# KiCad board RP2040_motor.kicad_pcb (continued)
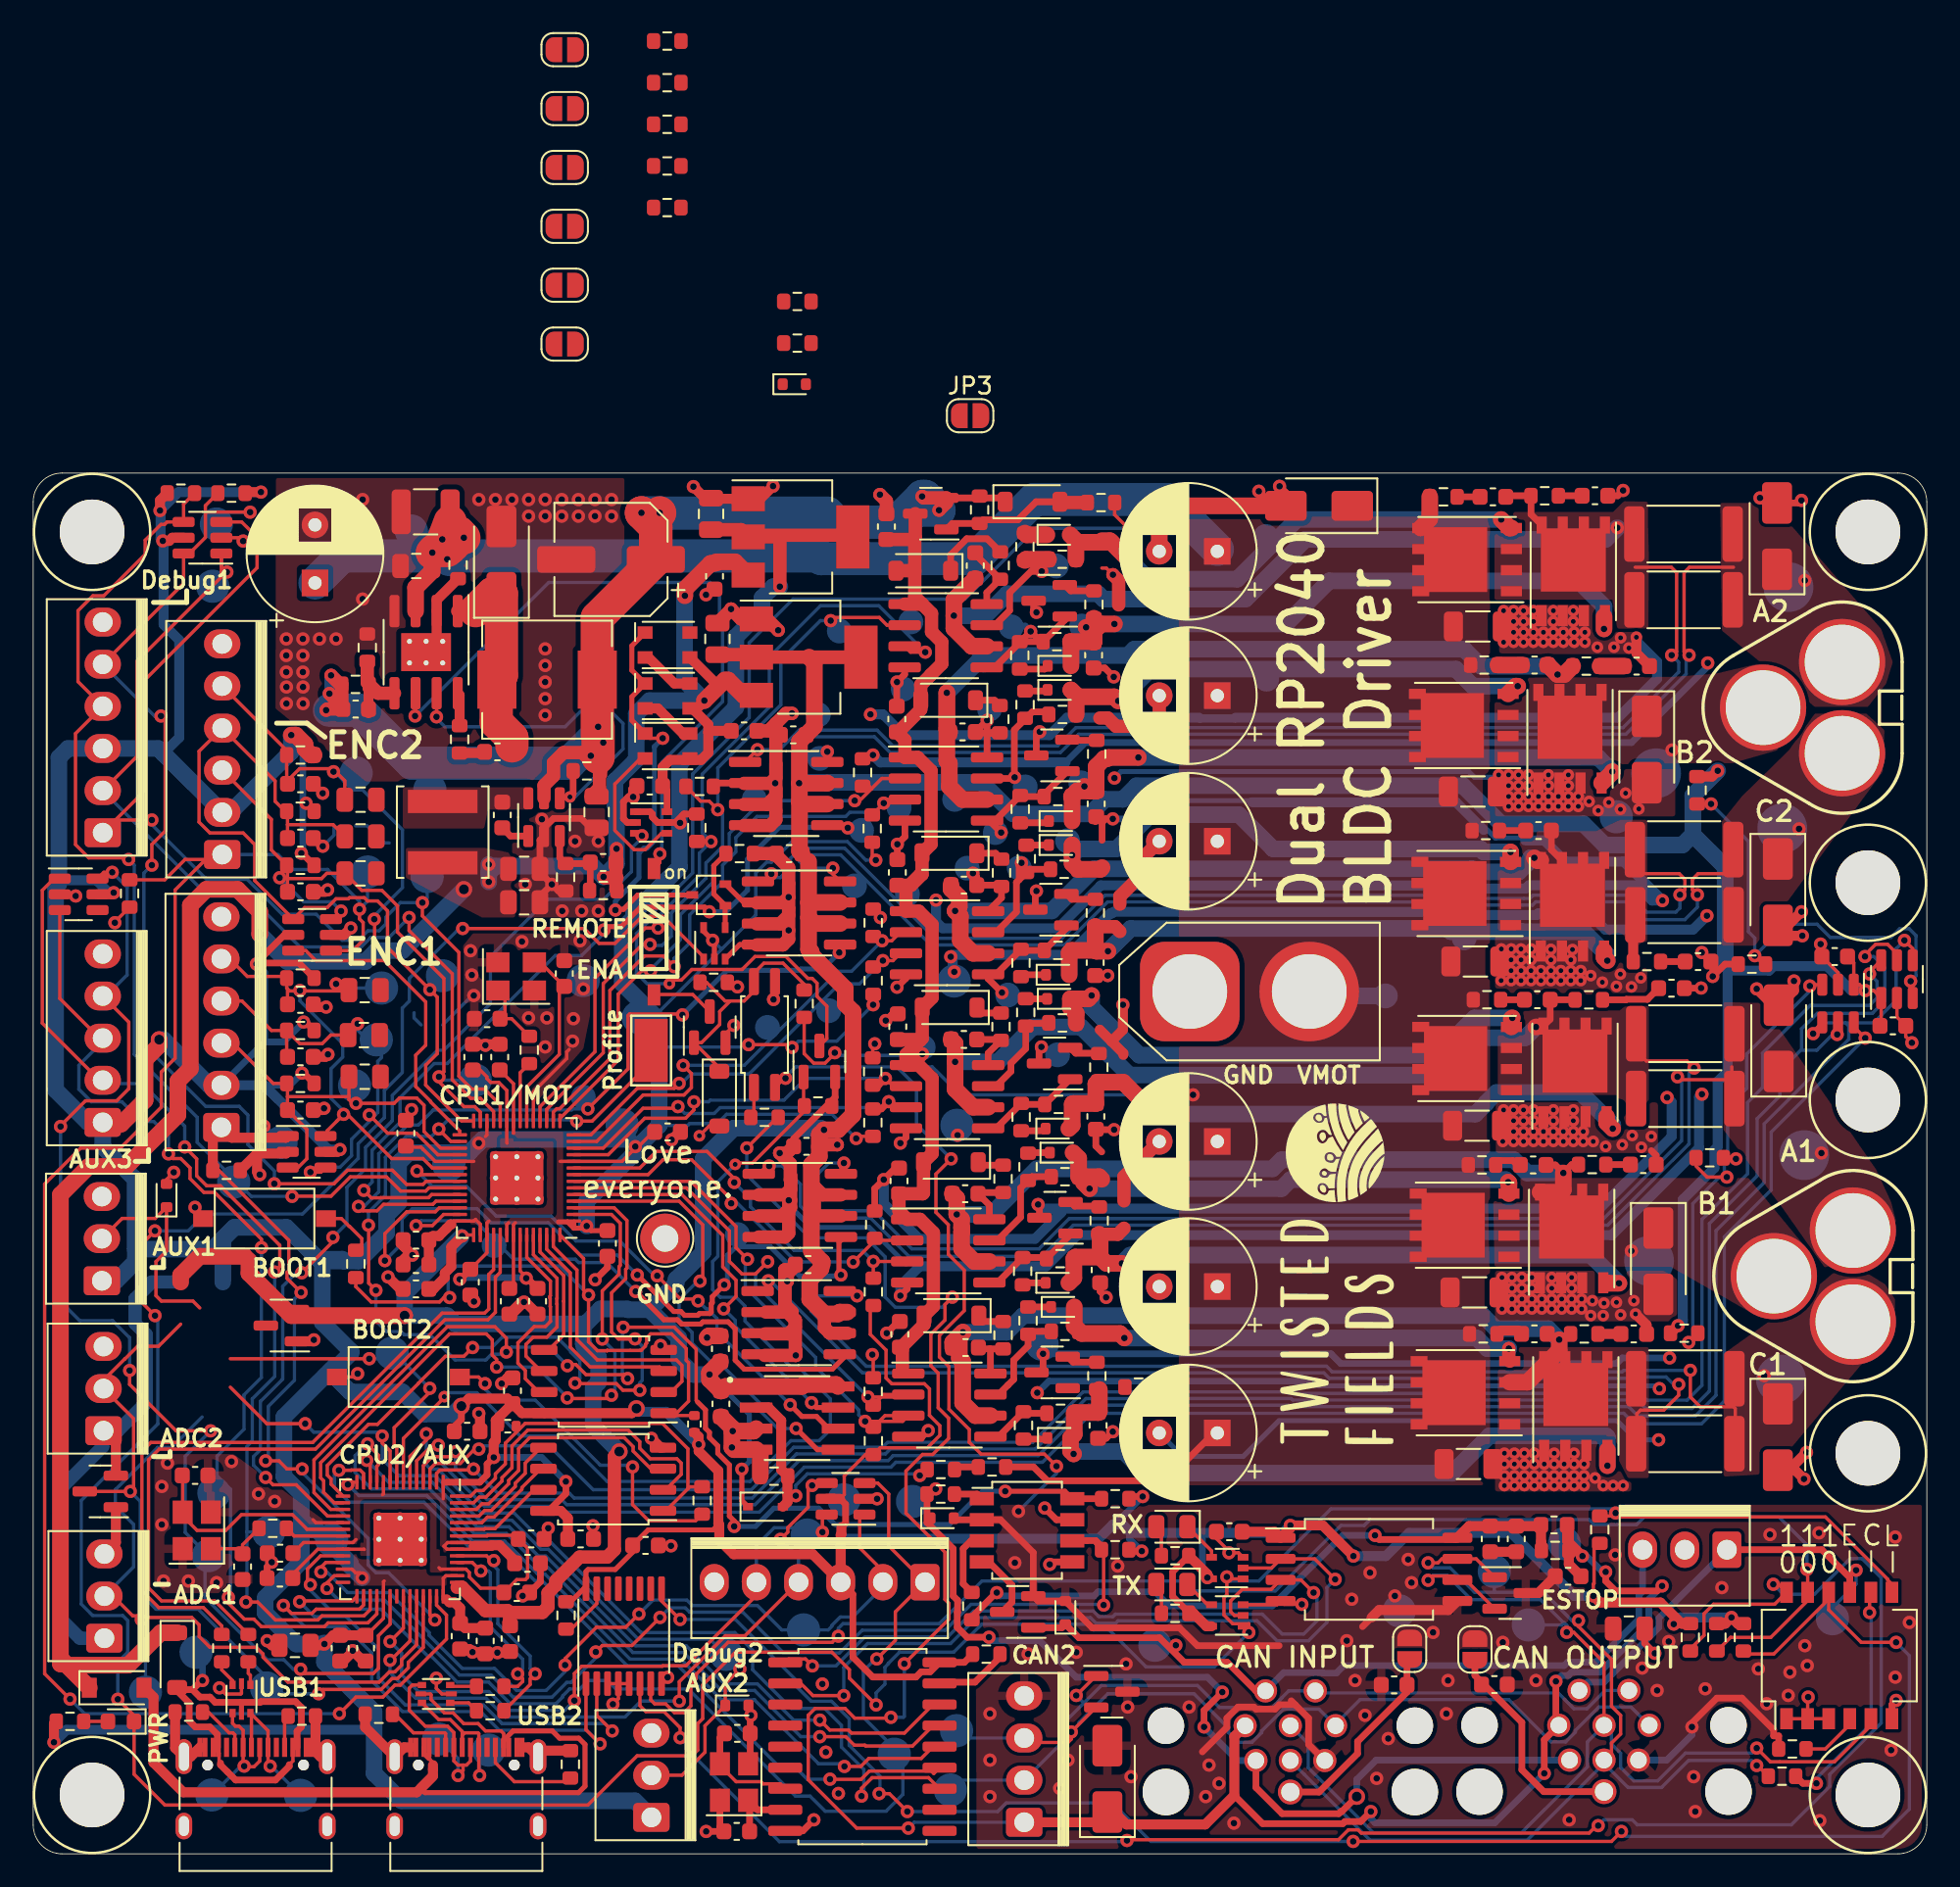
[diagram p0: board, top side]
## Routing (per net, layer and track width the routed paths; a pad name or vN(x,y) marks a point on that pad's centre or on a via; arc(x,y) is an arc through that point) (continued)
  Top w0.6: v1(96.55,32.55) 97.22,31.89 C109.2 ; 18.69,11.62 19.25,12.18 v2(19.25,12.25) 19.88,11.62 C48.2 ; U29.2 15.24,42.23 13.49,42.23 ; C61.1 17.61,48.05 v2(17.76,48.2) ; R44.2 17.01,6.16 17.04,6.14 ; 65.69,48.17 65.69,48.27 64.97,48.99 ; v2(26.56,33.3) 26.56,33.47 C32.2 ; 28.74,12.2 28.66,12.13 v2(27.97,12.13) 27.3,12.13 C54.2 27.14,12.16 v2(26.47,12.16) 26.28,12.35 C51.2 ; v2(16.91,30.99) 16.82,30.9 D44.1 ; R43.1 8.55,6.38 J1.S1 ; D36.1 4.98,18.77 J9.3 ; v2(38.47,43.05) 39,43.58 39,43.62 ; v2(106.1,52.62) 106.1,52.04 105.22,51.17 104.83,51.17 v2(103.85,52.15) ; 22.29,35.81 22.58,36.1 v2(22.85,36.1) 22.29,36.65 C40.2 ; U13.4 37.81,24.49 v2(37.25,25.05) ; 64.97,48.99 65.66,49.68 v2(65.66,51.19) ; 64.97,48.99 64.27,49.69 ; v2(37.8,30.65) 37.8,30.57 U12.4 ; v2(106.6,55.35) 105.85,55.35 105.22,55.98 105.73,55.98 v2(106.55,56.8) ; R40.1 20,7.63 J6.S1 22.35,6.42 J6.A1 ; C119.2 36.15,64.16 v2(36.15,63.72) ; J1.S1 9.08,6.61 ; J1.S1 9.49,5.86 J1.A1 ; v1(96.6,73.35) 96.6,72.4 C105.2 ; v2(106.85,24.2) 105.78,23.13 106.17,23.13 v2(106.7,22.6) ; v2(44.58,82.46) 43.82,81.7 U32.1 40.88,81.7 C110.2 40.48,81.74 v2(39.78,82.43) ; v2(17.65,51.05) 17.04,51.05 C60.1 16.88,51.32 ; J6.A12 29.85,6.42 J6.S1 30.79,6.22 R46.2 ; C29.2 14.38,12.57 v2(14.1,12.85) ; C31.2 27.19,48.81 v2(27.25,48.75) 27.31,48.81 C39.2 ; J1.S1 17.32,5.86 17.04,6.14 ; C62.1 17.42,44.84 v2(17.52,44.95) ; U30.2 18.73,55.41 v2(19.14,55.82) ; C49.2 26.92,26.48 v2(26.85,26.55) ; C30.2 29.66,33.27 29.42,33.27 C33.2 28.84,32.54 v2(29.57,33.27) ; C21.2 28.57,28.7 v2(28.23,28.35) ; 13.49,42.23 R74.2 ; 13.49,42.23 13.49,41.11 v2(13.65,40.95) ; v2(40.54,75.91) 40.98,76.34 ; 17.04,6.14 J1.A12 ; C41.2 22.1,34.06 v2(21.38,34.78) ; 17.62,58 C64.1
  Top w0.8: v2(45.43,34.52) 45.43,35.07 45.29,35.21 ; v2(45.43,34.52) 45.43,35.04 C72.2 ; v2(45.43,34.52) 45.43,34.97 45.92,35.46 ; C59.2 45.41,42.25 v2(44.98,42.25) 45.62,41.61 45.62,40.64 45.64,40.62 ; 45.52,57.01 45.52,56.58 45.01,56.07 43.6,56.07 ; 45.52,57.01 v2(45.52,55.68) 45.52,55.15 45.17,54.8 43.6,54.8 ; 45.52,57.01 45.52,58.49 ; 45.52,58.49 v2(45.52,57.68) 45.18,57.34 43.6,57.34 ; 45.52,58.49 45.52,59.46 44.77,60.21 C74.2 R138.2 ; 42.83,63.27 44.24,63.27 44.75,63.78 44.75,64.21 ; U20.2 45.3,39.73 45.64,40.07 45.64,40.88 45.64,39.4 ; 45.64,39.4 v2(45.52,39.4) 45.52,37.42 45.29,37.19 U20.4 ; 45.64,39.4 45.64,38.97 45.13,38.46 U20.3 ; 44.11,31.35 45.52,31.35 45.92,31.75 45.92,32.18 ; v2(45.72,68.76) 45.36,68.76 44.75,68.15 ; 45.29,35.21 45.29,33.1 45.73,32.66 44.15,32.66 ; 45.29,35.21 45.29,32.81 45.92,32.18 ; 44.75,64.21 44.75,65.69 ; 44.75,64.21 44.75,62.35 44.4,62 42.83,62 ; C121.2 44.3,67.71 44.75,68.15 ; 44.75,65.69 44.75,64.88 44.41,64.54 42.83,64.54 ; 44.75,65.69 44.75,68.15 ; 64.28,68.48 64.75,68.48 65.25,67.98 67.15,67.98 67.85,68.68 C3.2 ; C15.1 51.41,81.56 v2(51.02,81.95) ; 44.75,68.15 44.75,67.49 ; C24.2 42.05,75.02 v2(42.05,75.05) 42.65,74.45 U11.1 44.21,74.45 v2(44.89,73.77) ; 65.41,75.3 65.41,76.78 v2(65.06,77.12) ; 65.47,57.26 65.47,57.73 66.96,59.21 66.96,60.16 C5.2 ; 45.92,32.18 45.92,30.32 45.95,30.35 v2(45.95,30.05) 44.08,30.05 ; C7.2 65.72,40.83 65.72,39.37
  Top w1: C35.1 40.71,31.23 v2(40.6,31.12) ; D4.2 69.32,81.28 67.85,79.8 C4.2 ; v2(42.15,25.49) 42.1,25.44 v2(42.1,24.5) 42.23,24.37 U22.4 43.81,24.11 R65.2 ; v2(42.15,25.49) 42.15,25.65 C22.2 ; v2(42.15,25.49) 43.41,25.49 U22.3
  Bottom w0.2: 24.68,49.98 26.45,51.75 v2(26.55,51.75) ; 18.13,61.98 18.13,61.43 v2(17.45,60.75)
  Bottom w0.3: v2(45.52,39.4) 45.52,39.12 46.88,37.77 50.38,37.77 52.57,35.58 53.43,35.58 53.43,35.43 ; 73.45,63.4 73.35,63.5 66.91,63.5 ; v2(65.15,64.86) 65.54,65.25 86.5,65.25 86.85,64.9 88.15,64.9 v1(88.3,65.05) ; 87.61,61.74 88.1,61.25 89.75,61.25 89.9,61.1 ; 77.43,28.27 77.43,28.25 77.47,28.21 97.94,28.21 97.99,28.16 ; v2(97.94,24.96) 96.59,24.96 95.44,26.11 75.06,26.11 72.91,23.96 69.26,23.96 C26.2 ; 65.03,62.38 v2(65.05,62.4)
  Bottom w0.4: v2(100.9,71.8) 100.9,71.59 96.31,67 63.4,67 62.2,65.8 ; v2(98.6,29.9) 95.75,29.9 95.41,29.56 78.79,29.56 78.2,30.15 v2(60.85,30.15) ; v2(97.99,28.05) 97.99,28.16 ; v2(65.05,62.4) 65.8,62.4 66.9,63.5 66.91,63.5 ; 77.43,28.27 77.2,28.5 61.2,28.5 v2(60.5,27.8)
  Bottom w0.5: 72.4,68.45 70.3,68.45 70.25,68.5
  Bottom w0.6: 73.45,63.4 85.74,63.4 87.4,61.74 ; v2(50.45,68.7) 51.2,68.7 52.45,67.45 61.24,67.45 62.29,68.5 70.25,68.5 ; 62.2,65.8 51.05,65.8 v2(50.6,66.25) ; 72.45,68.5 95.5,68.5 97.85,70.85 97.85,71.87 96.6,73.12 v1(96.6,73.35) ; v2(100.55,45.8) 100.38,45.63 100.38,42.56 95.12,37.3 62.92,37.3 61.04,35.43 53.43,35.43 52.25,34.25 v2(52.25,33.65) ; v2(98.45,45.6) 98.72,45.33 98.72,43.24 94.38,38.9 60.8,38.9 v2(60.55,39.15) 60.85,38.85 61.9,38.85 61.95,38.8 61.95,38.67 60.36,37.08 53.38,37.08 51.25,39.21 v2(51.25,40.65) ; 67.85,68.5 C3.2 ; v2(55.5,53.18) 55.4,53.28 55.4,54.2 62.4,54.2 64.9,56.7 65,56.7 65.09,56.79 85.64,56.79 85.83,56.6 90.59,56.6 90.69,56.7 93.75,56.7 94.72,55.73 100.02,55.73 v2(100.85,56.56) ; 89.9,61.1 91.05,61.1 92.32,59.83 95.82,59.83 98.17,57.48 v2(98.17,57.47) 97.55,57.47 96.62,58.4 90.12,58.4 89.93,58.2 86.49,58.2 86.3,58.39 64.33,58.39 61.74,55.8 54.8,55.8 54.4,56.2 v2(54.4,57.5)
  vias: v1(88.46,54.55) v1(88.45,52.65) v1(88.55,42.95) v1(88.5,34.75) v1(88.5,32.85) v1(88.6,74.95) v1(88.6,73.05) v1(88.6,44.85) v1(88.65,24.15) v1(88.65,23.5) v1(88.65,22.8) v1(88.65,22.2) v1(88.9,65.05) v1(88.9,64.4) v1(88.9,63.75) v1(88.9,63.15) v1(89.06,54.55) v1(89.05,53.9) v1(89.05,53.25) v1(89.05,52.65) v1(89.1,34.75) v1(89.1,34.1) v1(89.1,33.45) v1(89.1,32.85) v1(89.2,74.95) v1(89.2,74.3) v1(89.2,73.65) v1(89.2,73.05) v1(89.2,44.85) v1(89.2,44.2) v1(89.2,43.55) v1(89.2,42.95) v1(89.25,24.15) v1(89.25,23.5) v1(89.25,22.8) v1(89.25,22.2) v1(89.5,65.05) v1(89.5,64.4) v1(89.5,63.75) v1(89.5,63.15) v1(89.64,54.55) v1(89.65,53.9) v1(89.65,53.25) v1(89.65,52.65) v1(89.7,34.75) v1(89.7,34.1) v1(89.7,33.45) v1(89.7,32.85) v1(89.8,74.95) v1(89.8,74.3) v1(89.8,73.65) v1(89.8,73.05) v1(89.8,44.85) v1(89.8,44.2) v1(89.8,43.55) v1(89.8,42.95) v1(89.85,24.15) v1(89.85,23.5) v1(89.85,22.8) v1(89.85,22.2) v1(90.1,65.05) v1(90.1,64.4) v1(90.1,63.75) v1(90.1,63.15) v1(90.26,54.55) v1(90.25,53.9) v1(90.25,53.25) v1(90.25,52.65) v1(90.3,34.75) v1(90.3,34.1) v1(90.3,33.45) v1(90.3,32.85) v1(90.4,74.95) v1(90.4,74.3) v1(90.4,73.65) v1(90.4,73.05) v1(90.4,44.85) v1(90.4,44.2) v1(90.4,43.55) v1(90.4,42.95) v1(90.45,24.15) v1(90.45,23.5) v1(90.45,22.8) v1(90.45,22.2) v1(90.7,63.75) v1(90.7,63.15) v1(90.85,53.25) v1(90.85,52.65) v1(90.9,33.45) v1(90.9,32.85) v1(91,73.65) v1(91,73.05) v1(91,43.55) v1(91,42.95) v1(91.05,23.5) v1(91.05,22.8) v1(91.05,22.2) v1(91.3,65.05) v1(91.3,64.4) v1(91.3,63.75) v1(91.3,63.15) v1(91.45,54.53) v1(91.45,53.9) v1(91.45,53.25) v1(91.45,52.65) v1(91.5,34.75) v1(91.5,34.1) v1(91.5,33.45) v1(91.5,32.85) v1(91.6,74.95) v1(91.6,74.3) v1(91.6,73.65) v1(91.6,73.05) v1(91.6,44.85) v1(91.6,44.2) v1(91.6,43.55) v1(91.6,42.95) v1(91.65,24.15) v1(91.65,23.5) v1(91.65,22.8) v1(91.65,22.2) v1(91.9,63.75) v1(91.9,63.15) v1(92.05,53.25) v1(92.05,52.65) v1(92.1,33.45) v1(92.1,32.85) v1(92.2,73.65) v1(92.2,73.05) v1(92.2,43.55) v1(92.2,42.95) v1(92.25,23.5) v1(92.25,22.8) v1(92.25,22.2) v1(92.5,65.05) v1(92.5,64.4) v1(92.5,63.75) v1(92.5,63.15) v1(92.65,53.9) v1(92.65,53.25) v1(92.65,52.65) v1(92.7,34.75) v1(92.7,34.1) v1(92.7,33.45) v1(92.7,32.85) v1(92.8,74.95) v1(92.8,74.3) v1(92.75,54.52) v1(92.8,44.85) v1(92.8,44.2) v1(92.8,43.55) v1(92.8,42.95) v1(92.85,73.65) v1(92.85,73.05) v1(92.85,24.15) v1(92.85,23.5) v1(92.85,22.8) v1(92.85,22.2) v1(93.1,63.75) v1(93.1,63.15) v1(93.25,53.25) v1(93.25,52.65) v1(93.3,33.45) v1(93.3,32.85) v1(93.4,43.55) v1(93.4,42.95) v1(93.45,23.5) v1(93.45,22.8) v1(93.45,22.2) v1(93.5,73.65) v1(93.5,73.05) v1(93.75,63.45) v1(93.85,52.95) v1(93.85,32.45) v1(93.95,33.35) v1(94,42.95) v1(94.11,22.66) v1(94.25,72.75) v1(94.3,62.9) v1(94.55,52.55) v1(94.65,33.2) v1(94.6,32.45) v1(94.6,22.2) v1(94.75,42.65) v1(94.94,63.39) v1(95.2,22.2) v1(95.25,72.75) v1(95.4,52.3) v1(95.4,33.25) v1(95.65,73.32) v1(95.64,62.98) v1(95.64,53.04) v1(95.65,32.5) v1(95.75,42.75) v1(95.8,22.2) v1(95.95,63.95) v1(96.15,72.7) v1(96.3,52.27) v1(96.35,43.31) v1(96.45,33.35) v1(96.75,63) v1(96.87,52.82) v1(96.9,42.6) v1(97.5,43.25) v2(7.75,22.15) v2(7.75,19.85) v2(7.85,16.45) v2(8.09,23.56) v2(9.35,16.45) v2(11.05,16.35) v2(11.95,23.65) v2(13.58,21.7) v2(14.55,21.25) v2(15.25,73.25) v2(15.25,72.25) v2(15.25,71.25) v2(15.26,70.35) v2(15.26,69.35) v2(16.25,73.25) v2(16.25,72.25) v2(16.25,71.25) v2(16.26,70.35) v2(16.26,69.35) v2(17.25,73.25) v2(17.74,58.12) v2(18.25,73.25) v2(18.85,81.65) v2(18.85,80.65) v2(19.85,81.65) v2(19.85,80.65) v2(19.85,75.65) v2(26.35,54.45) v2(26.43,52.99) v2(26.85,81.65) v2(27.85,81.65) v2(28.85,81.65) v2(29.45,55) v2(29.49,15.55) v2(29.65,58.45) v2(29.85,81.65) v2(29.85,80.65) v2(29.85,50.4) v2(30.85,81.65) v2(30.85,80.65) v2(30.85,72.65) v2(30.85,71.65) v2(30.85,70.65) v2(30.85,69.65) v2(30.85,68.65) v2(30.85,48.65) v2(30.95,50.4) v2(31.85,81.65) v2(31.85,80.65) v2(31.88,56.85) v2(32.55,50.35) v2(32.5,49) v2(32.65,61.05) v2(32.85,81.65) v2(32.85,80.65) v2(32.95,55.05) v2(33.05,56.85) v2(33.15,52.15) v2(33.85,81.65) v2(33.85,80.65) v2(34.05,61.05) v2(34.05,56.85) v2(34.85,81.65) v2(34.85,80.65) v2(38.43,18.57) v2(42.44,52.27) v2(44.71,64.55) v2(47.55,10.24) v2(47.76,6.13) v2(48.52,3.64) v2(55.29,54.09) v2(55.7,43.33)
GND_ISO: length 102.9
  Top w0.2: U16.2 45.25,46.76 v2(45.33,46.76) ; v2(55.31,41.9) 54.4,40.98 54.4,38.67 55.14,37.93 55.14,36.15 56.1,35.19 56.1,32.75 54.6,31.26 54.6,29.95 55.18,29.38 55.18,26.81 56.41,25.59 56.41,24.81 57.12,24.1 60.93,24.1 v2(61.66,23.37)
  Top w0.4: J17.4 96.55,5.65 ; 76.04,8.99 75.09,8.99 74.82,8.73 73.67,8.73 73.55,8.85 72.59,8.85 71.92,8.18 71.92,7.62 70.45,6.15 ; 76.04,8.99 75.8,9.23 ; 76.04,8.99 76.85,8.18 76.85,6.6 J2.4 77.65,5.62 ; v2(99.95,7.65) 99.95,7.89 101.45,9.39 102.96,9.39 104.87,7.48 104.87,7.11 105.17,7.11 105.17,6.33 ; D28.2 55.57,20.14 U34.2 58.29,20.14 60.26,18.16 Q7.2 60.56,15.24 D32.2 63.81,13.62 69.07,13.62 70.15,12.55 75.07,12.55 ; 80.65,14.25 80.1,13.7
  Top w0.6: C1.1 C55.1 ; 86.06,15.25 U17.5 85.27,14.7 81.1,14.7 80.65,14.25 ; D1.3 90.7,15.73 C8.1
  Bottom w0.2: v2(45.33,46.76) 45.33,46.83 45.95,47.45 52.03,47.45 53.22,46.26 53.22,43.99 v2(55.31,41.9) ; v2(61.66,23.37) 61.66,22.94 v2(59.37,20.65)
  Bottom w0.4: J17.4 98.42,5.65 99.95,7.17 v2(99.95,7.65)
  vias: v2(57.65,8.45) v2(57.65,5.65) v2(57.65,3.45) v2(59.15,17.55) v2(59.95,12.05) v2(61.85,3.95) v2(62.35,5.65) v2(62.85,12.15) v2(65.35,17.35) v2(65.85,11.45) v2(65.95,8.85) v2(66.15,4.65) v2(69.65,8.85) v2(70.65,3.45) v2(70.85,5.35) v2(71.45,4.25) v2(72.35,1.85) v2(79.15,12.85) v2(79.45,15.35) v2(79.65,10.45) v2(80.25,8.35) v2(80.55,16.95) v2(80.95,4.55) v2(81.65,6.95) v2(82.05,15.55) v2(82.85,17.75) v2(83.05,16.35) v2(84.35,13.35) v2(85.15,8.45) v2(85.25,10.45) v2(88.55,12.75) v2(90.55,10.45) v2(92.55,2.05) v2(95.32,18.03) v2(96.95,11.2) v2(97.85,9.85) v2(98.55,12.8) v2(100.05,4.65) v2(100.15,2.55) v2(100.75,9.95) v2(101.75,16.05) v2(103.95,11.15) v2(104.45,9.05) v2(104.65,19.25) v2(105.75,9.55) v2(105.85,10.95) v2(106.75,12.55) v2(106.9,11.35) v2(107.6,19.35) v2(107.65,2) v2(111.95,6.25) v2(112.2,19.1) v2(112.2,10.65) v2(113.05,13.95)
VBUS: length 51.4
  Top w0.2: U28.5 23.93,9.64 23.98,9.59 23.98,9.3 24.78,8.5 25.3,8.5 25.94,7.85 26.81,7.85 27.25,7.41 28.18,7.41 28.35,7.25 J6.B4 ; 23.85,5.75 24.09,5.51 24.09,5.1
  Top w0.3: 23.85,5.75 23.55,6.05 J6.A4 ; J6.B4 28.35,6.84 28.91,7.41 31.28,7.41 31.72,6.97 32.87,6.97 33.25,6.6 33.25,4.08 32.86,3.69 23.61,3.69 23.35,3.95
  Top w0.6: 24.09,5.34 24.09,4.69 23.35,3.95 ; 23.99,4.59 23.11,3.71 9.04,3.71 7.25,5.5 7.25,9.44 D37.2
VBUS2: length 27.1
  Top w0.2: J1.B4 15.65,5.59 15.43,5.38 ; J1.A4 11.2,6.07 11.2,5.45 11.7,4.95
  Top w0.3: U27.5 12.55,9.09 12.5,9.14 ; 8.9,10.08 8.66,10.32
  Top w0.4: 8.95,9.75 9.1,9.9 9.6,9.9 ; 15.9,6.42 15.9,7.4 16.16,7.66 16.16,8.83 15.81,9.18 13.72,9.18 13.68,9.14 12.5,9.14 ; 9.6,9.9 10.15,10.45 v2(10.2,10.45) ; 9.6,9.9 10.05,9.45 10.65,9.45 10.96,9.14 12.45,9.14 ; 15.43,5.38 15.43,5.28 14.6,4.45 12.2,4.45 11.29,5.36 11.29,5.47 ; D43.2 8.68,9.83 9.4,9.1 9.4,8.02 9.77,7.65 10.65,7.65 11.1,7.2 11.1,6.42
  Bottom w0.4: v2(10.2,10.45) 10.2,11.76 TP40.1
(no net): length 0.9
  Bottom w0.2: 22.95,50.71 22.95,50.4 23.38,49.98
/gate_drive/1CGH: length 28.7
  Top w0.8: v2(88.91,30.46) 88.91,29.76 CH1.2
  Top w1: D13.2 62.73,31.83 63.18,31.37 65.48,31.37 v2(65.75,31.1)
  Bottom w1: v2(88.91,30.46) 87.62,30.46 86.98,31.1 v2(65.75,31.1)
/gate_drive/1CGL: length 42
  Top w0.8: v2(62.69,24.11) 62.69,24.03
  Top w1: v2(62.69,24.11) 62.51,24.3 D12.2 62.73,25.3 R83.2 62.77,26.61 C12.2 64.24,26.68 64.24,28 ; v2(94.85,23.4) CL1.2
  Bottom w1: v2(62.69,24.11) 62.83,24.25 65.71,24.25 67.01,22.95 85.49,22.95 87.75,25.2 94.77,25.2 94.85,25.12 v2(94.85,23.4)
/gate_drive/1GAH: length 31.8
  Top w1: v2(63.77,51.75) 63.57,51.55 D24.2 62.49,51.03 62.85,50.68 62.85,50.07 ; v2(89.12,50.4) 89.07,50.34 AH1.2
  Bottom w1: v2(63.77,51.75) 63.77,51.03 66.65,48.15 84.6,48.15 86.85,50.4 v2(89.12,50.4)
/gate_drive/1GAL: length 39
  Top w1: v2(95.17,43.73) 94.81,44.09 AL1.2 ; v2(66.7,44.9) 66.7,45.51 65.69,46.52 64.13,46.52 64.03,46.42 64.03,45.23 62.66,45.23 R59.2 62.6,43.93 D20.2
  Bottom w1: v2(95.17,43.73) 95.17,43.96 93.23,45.9 88.17,45.9 87.55,45.28 87.55,45.25 86.9,44.6 67,44.6 v2(66.7,44.9)
/gate_drive/1GBH: length 29.8
  Top w1: 64.38,40.67 64.23,40.83 R80.2 62.99,41.94 D23.2 ; BH1.2 88.92,40.46 v2(88.88,40.5) ; 63.28,40.47 v2(63.65,40.1)
  Bottom w1: v2(63.65,40.1) 75.21,40.1 75.76,40.65 88.72,40.65 v2(88.88,40.5)
/gate_drive/1GBL: length 39.3
  Top w0.8: R81.2 65.36,37.36 65.72,37.72
  Top w1: D22.2 62.71,34.73 R78.2 62.8,35.98 C16.2 ; 94.83,34.43 94.86,34.4 v2(95.55,34.4) ; C16.2 64.29,37.3 R81.2 ; C16.2 64.67,35.6 v2(65.6,35.6)
  Bottom w1: v2(65.6,35.6) 66.1,36.1 93.85,36.1 v2(95.55,34.4)
/gate_drive/2AGH: length 32.6
  Top w1: v2(88.46,80.45) 88.97,79.94 89.07,79.94 ; 62.93,79.08 D17.2 ; 62.93,79.08 62.83,78.98 R33.2 ; 62.93,79.08 64.97,79.08 v2(66.03,78.02) 64.88,79.17 64.4,79.17
  Bottom w1: v2(66.03,78.02) 67.2,76.85 72.55,76.85 76.15,80.45 v2(88.46,80.45)
/gate_drive/2AGL: length 40.3
  Top w1: R36.2 63.91,73.06 ; 63.91,73.06 63.9,73.05 63.85,73.09 R32.2 62.53,73.06 D14.2 ; 63.91,73.06 63.91,73.72 ; v2(63.45,73.95) 63.68,73.72 63.91,73.72 ; 63.91,73.72 64.35,74.15 v2(65.15,74.15) ; v2(94.65,73.85) 94.65,74.6
  Bottom w1: v2(65.15,74.15) 75.5,74.15 78.1,76.75 93.11,76.75 94.65,75.21 v2(94.65,73.85)
/gate_drive/2BGH: length 30.8
  Top w1: R24.2 62.85,69.86 D15.2 62.94,69.76 65.13,69.76 v2(65.38,69.51) ; v2(89.45,70.4) 89.34,70.4 88.87,69.94
  Bottom w1: v2(89.45,70.4) 86.75,70.4 85.72,71.43 67.33,71.43 65.41,69.51 v2(65.38,69.51)
/gate_drive/2BGL: length 38
  Top w1: BL2.2 95.15,65.21 v2(95.15,65.25) ; v2(66.59,66.1) 64.79,66.1 64.73,66.03 64.53,66.03 64.05,65.55 C25.2 ; C25.2 63.62,64.08 v2(63.34,64.36) ; C25.2 62.9,64.08 R25.2 62.6,63.71 D16.2
  Bottom w1: v2(95.15,65.25) 94.3,66.1 v2(66.59,66.1)
/gate_drive/2CGH: length 32.7
  Top w1: CH2.2 v2(89.02,60.4) ; 64.41,59.46 64.31,59.36 R28.2 62.6,59.71 D6.2 v2(62.6,60.21)
  Bottom w1: v2(62.6,60.21) 62.98,60.59 65.27,60.59 67.33,62.65 72.65,62.65 74.71,60.59 87.21,60.59 87.4,60.4 v2(89.02,60.4)
/gate_drive/2CGL: length 40.5
  Top w0.8: 65.47,55.61 65.19,55.9 R29.2
  Top w1: v2(94.85,53.85) 94.66,54.05 CL2.2 ; D5.2 62.43,54.32 62.57,54.47 63.96,54.47 C9.2 ; v2(64.76,54.42) 64.07,54.42 C9.2 ; C9.2 63.99,55.89 R29.2 64,54.52 C9.2
  Bottom w1: v2(94.85,53.85) 94.85,54.18 93.44,55.59 91.02,55.59 91.01,55.6 89.68,55.6 85.41,55.6 85.22,55.79 66.13,55.79 v2(64.76,54.42)
/gate_drive/M1A_N: length 69.1
  Top w0.2: 102.35,47.45 102.35,46.67 99.25,46.67 v2(99.08,46.85) ; 48.67,41.67 U20.8
  Bottom w0.2: v2(48.85,41.65) 47.95,41.65 46.68,40.38 46.68,39.24 47.15,38.77 50.65,38.77 52.94,36.48 60.61,36.48 62.43,38.3 94.63,38.3 99.32,42.99 99.32,46.6 v2(99.08,46.85)
  vias: v2(107.75,42.25)
/gate_drive/M1A_P: length 118.8
  Top w0.2: v2(44.34,41.47) 44.19,41.47 U20.1 ; v2(100.07,47.37) 99.65,47.8 97.2,47.8 96.63,48.37 96.63,49.45
  Top w0.4: R92.1 92.91,51.5 C93.2 91.41,50.31 AL1.3
  Top w1: C84.1 55.55,48.86 v2(55.55,47.75) 55.55,46.1 56.63,45.02 U7.6 ; 90.55,49.85 v2(90.55,49.85)
  Bottom w0.2: v2(100.07,47.37) 99.78,47.07 99.78,42.81 94.87,37.9 62.67,37.9 60.79,36.03 52.76,36.03 50.45,38.33 46.95,38.33 46.22,39.06 46.22,40.38 45.13,41.47 v2(44.34,41.47)
  Bottom w1: v2(55.55,47.75) 58.13,47.75 60.23,49.85 63.15,49.85 66.05,46.95 85.1,46.95 87.35,49.2 89.9,49.2 v2(90.55,49.85)
/gate_drive/M1B: length 48.6
  Top w0.4: C99.2 91.72,41.54 v2(92.2,41.05) 92.7,41.56 R93.1
  Top w1: U4.6 56.7,35.72 55.94,36.48 55.94,37.49 55.95,37.5 55.95,37.74 55.94,37.75 55.94,38.26 v2(55.65,38.55) 55.65,39.53 C71.1 ; v2(92.2,41.05) 92.2,40.03 BL1.3 BL1.3
  Bottom w1: v2(55.65,38.55) 57.72,38.55 60.47,41.3 74.68,41.3 75.23,41.85 89.22,41.85 90.02,41.05 v2(92.2,41.05)
  vias: v2(96.3,36.35)
/gate_drive/M1C_N: length 65.4
  Top w0.2: 102.56,24.73 102.56,26.84 102.45,26.95 100.45,26.95 99.85,27.55 v2(99.85,29.15) ; v2(49.64,33.64) 49.46,33.83 49.05,33.83
  Bottom w0.2: v2(49.64,33.64) 47.29,33.64 46.88,33.23 46.88,32.71 50.19,29.4 77.93,29.4 78.27,29.06 95.75,29.06 95.84,29.15 v2(99.85,29.15)
  vias: v2(104.3,28.83)
/gate_drive/M1C_P: length 112.7
  Top w0.2: 96.63,24.73 96.63,26.53 96.85,26.75 98.25,26.75 99.15,27.65 v2(99.15,28.3) ; v2(44.29,34.55) 44.29,34.02 44.1,33.83
  Top w1: U1.6 56.77,26.42 56.01,27.18 56.01,29.69 55.8,29.89 55.8,31.23 v2(56.02,31.45) 55.41,30.84 55.41,30.53 ; 88.97,28.44 90.04,28.44 91.95,30.34 v2(91.95,31)
  Bottom w0.2: v2(99.15,28.3) 98.84,28.3 98.39,28.75 96.34,28.75 96.25,28.66 78.1,28.66 77.76,29 49.97,29 44.42,34.55 v2(44.29,34.55)
  Bottom w1: v2(56.02,31.45) 58.65,31.45 59.65,32.45 87.35,32.45 88.14,31.66 89.41,31.66 89.41,31.66 91.29,31.66 v2(91.95,31)
/gate_drive/M2A_N: length 68.2
  Top w0.2: v2(47.85,66.45) U21.8 ; 102.45,77.57 99.79,77.57 99.47,77.25 99.48,72.47 99.78,72.17
  Bottom w0.2: v2(99.78,72.27) 99.6,72.09 99.6,71.14 95.96,67.5 63,67.5 61.9,66.4 51.63,66.4 50.69,67.35 46.55,67.35 46.14,66.94 46.14,66.76 46.55,66.35 47.75,66.35 v2(47.85,66.45)
  vias: v2(106.75,76.78)
/gate_drive/M2A_P: length 121.2
  Top w0.2: 96.53,77.57 98.7,77.57 99.03,77.25 99.02,72.47 98.72,72.17 ; v2(43.64,66.57) U21.1
  Top w0.4: AL2.3 90.25,80.76 R87.1 88.79,81.88 C101.2
  Top w1: C70.1 55.48,75.6 v2(55.48,74.65) 55.48,73.88 56.55,72.81 U8.6
  Bottom w0.2: TP82.1 47.3,67.75 47.3,67.75 ; v2(43.64,66.57) 44.97,66.57 46.15,67.75 47.3,67.75 ; v2(98.72,72.27) 99.15,71.84 99.15,71.25 95.8,67.9 62.83,67.9 61.73,66.8 51.8,66.8 50.85,67.75 47.3,67.75
  Bottom w1: v2(55.48,74.65) 57.37,74.65 58.69,75.97 64.17,75.97 64.49,75.65 73.05,75.65 76.65,79.25 94.75,79.25 v2(95.45,79.95)
/gate_drive/M2B: length 51.2
  Top w1: R90.1 92.25,71.1 v2(91.85,71.1) 91.28,71.68 C106.2 ; C13.1 55.05,67.81 v2(55.05,70) 55.05,65.9 55.2,65.75 55.2,64.35 55.99,63.57 U5.6
  Bottom w1: v2(55.05,70) 57.3,72.25 65.96,72.25 66.34,72.63 86.22,72.63 87.25,71.6 91.35,71.6 v2(91.85,71.1)
  vias: v2(98.75,66.55)
/gate_drive/M2C_N: length 66.6
  Top w0.2: U44.8 48.18,59.07 v2(48.18,59.43) ; 102.84,59.1 100.32,59.1 99.98,58.75 99.98,58.12 v2(100.28,57.82)
  Bottom w0.2: v2(100.28,57.82) 100.28,57.08 99.53,56.33 97.11,56.33 96.04,57.4 90.54,57.4 90.34,57.2 86.07,57.2 85.89,57.39 64.74,57.39 62.15,54.8 54.08,54.8 48.65,60.23 46.41,60.23 46.15,59.97 46.15,59.85 46.57,59.43 v2(48.18,59.43)
  vias: v2(106.4,61.8)
/gate_drive/M2C_P: length 112.7
  Top w0.2: 44.23,58.63 U44.1 ; v2(99.22,57.82) 99.52,58.12 99.52,58.75 99.18,59.1 96.91,59.1
  Top w0.4: C103.2 91.48,60.53 92.11,59.9
  Top w0.6: R89.1 96.41,56.49 R114.1
  Top w1: v2(90.45,60.05) 90.6,59.9 90.84,59.9 ; U2.6 56.63,54.3 55.86,55.06 55.86,56.54 v2(55.55,56.85) 55.8,57.1 55.8,57.68 55.3,58.17 C65.1
  Bottom w0.2: v2(99.22,57.82) 99.22,57.03 98.97,56.78 97.22,56.78 96.2,57.8 90.37,57.8 90.18,57.6 86.24,57.6 86.05,57.79 64.57,57.79 61.99,55.2 54.32,55.2 48.89,60.63 46.24,60.63 45.63,60.02 45.63,59.47 45.02,58.86 44.7,58.86 v2(44.48,59.09)
  Bottom w1: v2(90.45,60.05) 90.22,60.05 90.22,59.9 89.52,59.2 86.9,59.2 86.71,59.39 63.91,59.39 61.37,56.85 v2(55.55,56.85)
/power_and_cpu//LED_EN: length 217.3
  Top w0.2: 112,15.62 112,16.25 111.75,16.5 111.75,16.55 107.99,20.31 95.59,20.31 v2(95.35,20.55) 95.17,20.37 R17.2 ; v2(73.25,13.35) 73.25,13.87 72.28,13.87 71.75,14.4 71.75,15.45 71.92,15.62 v2(71.92,16.7) 72.04,16.58 U23.1 ; v2(25.88,55.79) 33.2,55.79 34.1,54.89 35.06,54.89 36.69,56.52 37.95,56.52 40.4,54.07 U25.1 ; v2(7.34,37.56) 6.59,36.82 6.59,33.2 v2(7.34,32.45) ; v2(5.1,9.32) 6.08,8.34 D41.1 6.08,4.8 7.94,2.94 33.42,2.94 36.39,5.91 39.69,5.91 40.04,6.26 40.04,7.85 40.34,8.15 40.34,10.18 42.32,12.16 48.12,12.16 49.18,11.1 49.18,10.59 v2(50.79,8.98)
  Bottom w0.2: v2(71.92,16.7) 72.17,16.45 73.85,16.45 78.2,20.8 95.1,20.8 v2(95.35,20.55) ; v2(25.88,55.79) 25.67,55.79 22.66,52.78 22.66,51.41 22.24,50.99 22.24,47.11 21.16,46.03 21.16,44.39 19.58,42.81 19.58,41.93 16.23,38.58 10.35,38.58 9.34,37.56 v2(7.34,37.56) ; v2(7.34,32.45) 7.51,32.28 7.51,25.92 2.9,21.31 2.9,15.06 3.58,14.37 5.39,14.37 5.7,14.06 5.7,12.16 5.1,11.56 v2(5.1,9.32) ; v2(73.25,13.35) 71.17,11.28 67.05,11.28 64.83,13.5 63.88,13.5 63.54,13.84 57.15,13.84 55.47,12.16 52.2,12.16 51.53,11.49 51.53,11.46 51.32,11.25 51.32,10.23 50.79,9.7 v2(50.79,8.98)
/power_and_cpu/ADC_AUX1: length 44.8
  Top w0.2: J9.2 4.81,15.54 6,14.35 6.27,14.35 v2(6.51,14.11) 6.65,14.25 9.55,14.25 10,13.8 10,13.1 10.65,12.45 13.45,12.45 13.85,12.05 13.85,11.85 15.35,10.35 20.84,10.35 21.46,10.97 21.79,10.97 22.2,11.38 22.2,11.71 23.1,12.61 23.1,14.61 23.11,14.62 U19.38
  Bottom w0.2: TP47.1 6.76,13.86 v2(6.51,14.11) ; J9.2 6.05,17.3 6.05,19.86 4.95,20.96 4.95,21.96 7.49,24.5 8.34,24.5 10.18,26.34
/power_and_cpu/ADC_AUX2: length 46.7
  Top w0.2: 8.88,31.94 7.55,30.6 6.29,30.6 5.53,29.84 5.52,29.84 4.24,28.56 J13.2 6.05,26.24 6.05,22.05 v2(5.85,21.85) D36.3 ; v2(17.2,9.65) 17.46,9.91 20.97,9.91 21.63,10.57 21.96,10.57 22.6,11.21 22.6,11.54 23.5,12.45 23.5,14.45 23.51,14.45 U19.39
  Bottom w0.2: v2(17.2,9.65) 15.05,9.65 9.95,14.75 7.4,14.75 6.45,15.7 6.45,21.25 v2(5.85,21.85)
/power_and_cpu/ADC_CLK: length 122.2
  Top w0.2: v2(112.75,55.07) 113.25,54.57 U9.4 ; U19.4 23.51,23.41 24.04,23.94 25.15,23.94 v2(25.45,24.24) ; U26.4 107.25,49.58 v2(107.25,49.45)
  Bottom w0.2: v2(25.45,24.24) 25.45,23.25 27.36,21.35 31.85,21.35 32.15,21.05 43.49,21.05 46.15,23.71 51.51,23.71 51.81,24.01 60.56,24.01 63.6,27.05 75.64,27.05 75.73,26.96 96.14,26.96 96.7,26.4 100.15,26.4 101.4,27.65 101.4,37.58 104.3,40.48 104.3,44.01 109.4,49.11 109.4,49.9 109.2,50.1 ; 109.2,50.1 107.9,50.1 v2(107.25,49.45) ; 109.2,50.1 110.9,50.1 112.25,51.45 112.25,54.57 v2(112.75,55.07)
/power_and_cpu/ADC_CS1: length 114.7
  Top w0.2: U9.6 110.65,53.17 v2(110.65,53.05) ; U19.3 23.91,23.21 24.24,23.54 25.74,23.54 26.6,24.4 v2(26.85,24.4)
  Bottom w0.2: v2(110.65,53.05) 111.1,52.6 111.1,51.6 110.65,51.15 107.07,51.15 104.2,48.28 104.2,46.2 103.3,45.3 103.3,41 100.55,38.25 100.55,28.25 99.65,27.35 97.23,27.35 96.82,27.76 76.06,27.76 75.97,27.85 63.27,27.85 60.23,24.81 51.48,24.81 51.18,24.51 45.82,24.51 43.26,21.95 33.75,21.95 31.1,24.6 27.05,24.6 v2(26.85,24.4)
/power_and_cpu/ADC_CS2: length 112.6
  Top w0.2: U19.5 23.11,23.7 24.05,24.64 v2(24.41,24.64) ; v2(110.39,49.18) 109.7,49.87 U26.6
  Bottom w0.2: v2(24.41,24.64) 24.54,24.51 24.54,23.6 27.19,20.95 31.3,20.95 31.65,20.6 43.75,20.6 46.46,23.31 51.68,23.31 51.98,23.61 60.81,23.61 63.76,26.56 95.84,26.56 96.47,25.93 100.53,25.93 101.9,27.3 101.9,37.2 104.72,40.03 104.72,43.52 v2(110.39,49.18)
/power_and_cpu/ADC_DATA: length 120.8
  Top w0.2: U19.2 24.31,22.94 24.51,23.14 26.47,23.14 v2(26.53,23.2) ; v2(108.7,49.4) 108.75,49.45 U26.5 ; U9.5 112.3,54.27 111.74,54.84 111.01,54.84 110.37,54.2 v2(110.37,54.1)
  Bottom w0.2: v2(110.37,54.1) 110.9,54.1 111.57,53.42 111.57,51.43 110.82,50.68 107.5,50.68 106.97,50.15 106.96,50.15 106.55,49.74 106.55,48.5 ; 106.55,48.5 105.25,47.2 105.25,45.7 103.88,44.33 103.88,40.88 101,38 101,27.9 99.95,26.85 97.15,26.85 96.64,27.36 75.89,27.36 75.8,27.45 63.43,27.45 60.39,24.41 51.65,24.41 51.35,24.11 45.99,24.11 43.33,21.45 32.6,21.45 32.3,21.75 27.99,21.75 v2(26.53,23.2) ; 106.55,48.5 106.6,48.45 107.47,48.45 108.42,49.4 v2(108.7,49.4)
